# Altium PCB monitor_panel.PcbDoc (part 2 of 2)
Units mm, origin at the board's own origin, x right, y up, seen from the top; angles counter-clockwise.
Board outline 370 x 220 mm, 2 copper layers (Top Layer, Bottom Layer), stack 1.635 mm thick; 211 components, 129 nets, 683 pads, 277 vias.
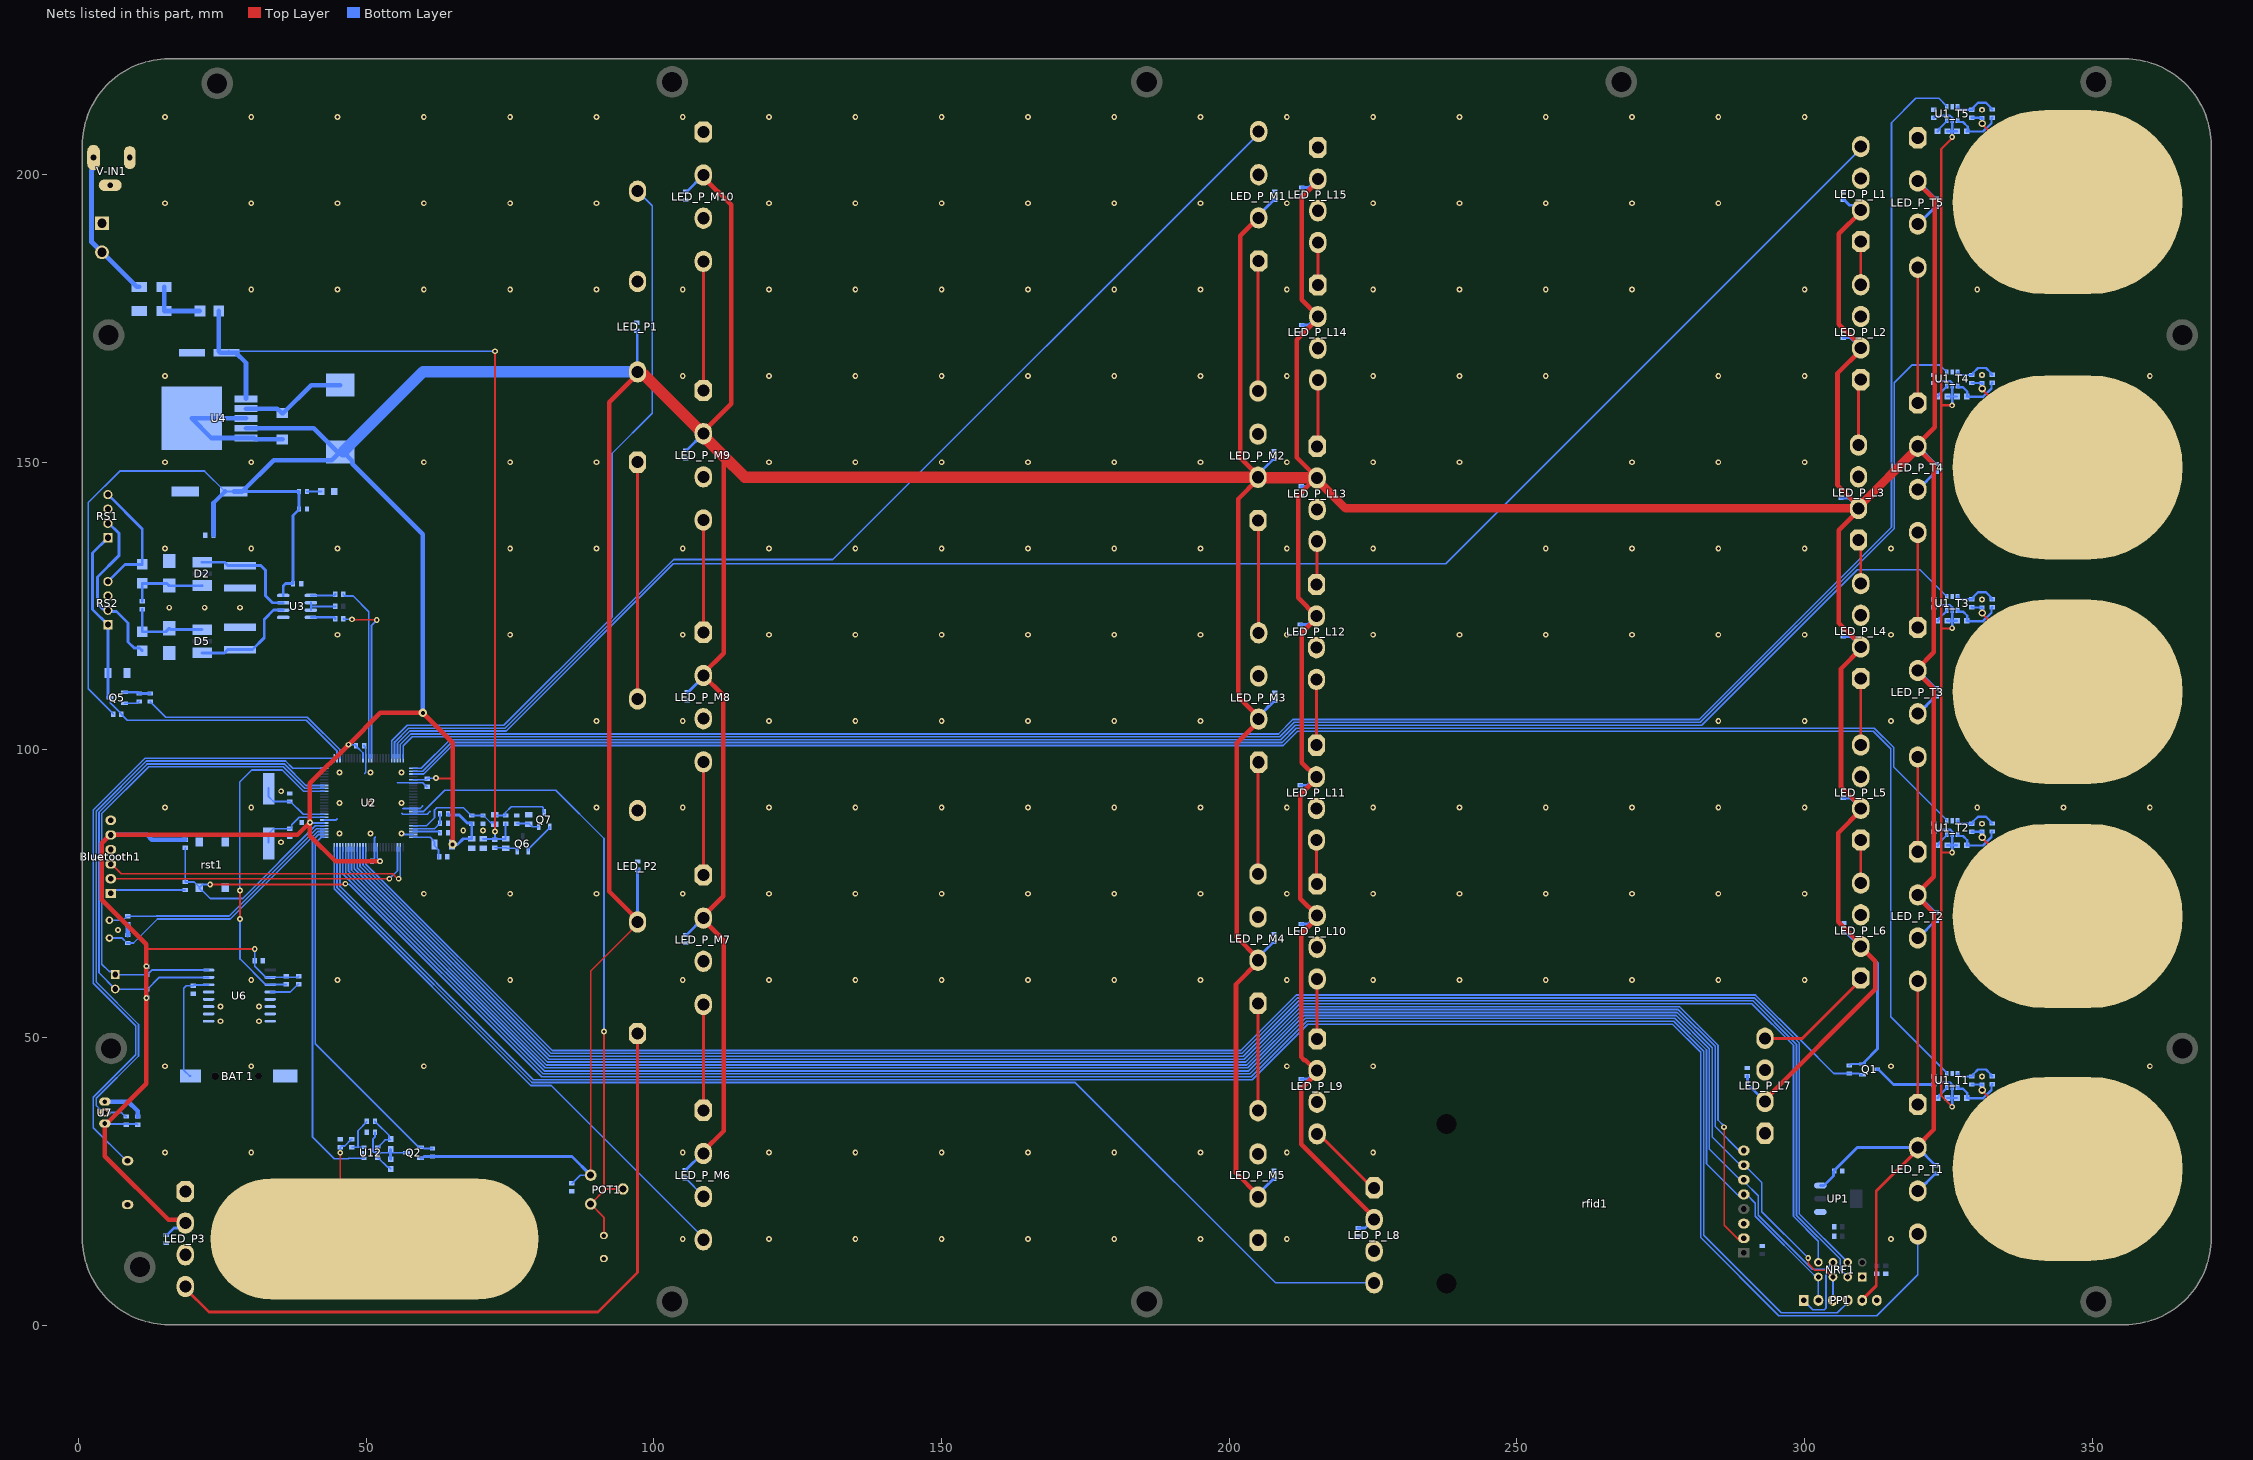
[diagram p2: the nets of this part, all layers, seen from the top]

## Via types
v1: diameter 1, hole 0.5, Top Layer to Bottom Layer, tented both sides, 269 vias
v2: diameter 1.27, hole 0.711, Top Layer to Bottom Layer, tented both sides, 6 vias
v3: diameter 1.5, hole 0.7, Top Layer to Bottom Layer, tented both sides, 2 vias

## Nets (pads, with @x,y where several pads share a name; then routed paths per layer and width w, separated by ;. In a path a pad name is that pad's centre, name@x,y a point inside that pad or via, vN(x,y) a via of type N, cw(c..) or ccw(c..) an arc to the next point about the centre after c; other vN are vias at no path point) (continued)
+5: Bluetooth1.5 C9.1 C11.1 C12.1 C13.1 C14.1 C15.1 C16.1 C17.1 C23.1 C25.2 C29.2 C30.2 C32.2 C_L1.2 C_L2.2 C_L3.2 C_L4.2 C_L5.2 C_L6.2 C_L7.2 C_L8.2 C_L9.2 C_L10.2 C_L11.2 C_L12.2 C_L13.2 C_L14.2 C_L15.2 C_M1.2 C_M2.2 C_M3.2 C_M4.2 C_M5.2 C_M6.2 C_M7.2 C_M8.2 C_M9.2 C_M10.2 C_p1.2 C_p2.2 C_p3.2 C_T1.2 C_T2.2 C_T3.2 C_T4.2 C_T5.2 L1.1 L2.2 LED_P1.2 LED_P2.2 LED_P3.2 LED_P_L1.2 LED_P_L2.2 LED_P_L3.2 LED_P_L4.2 LED_P_L5.2 LED_P_L6.2 LED_P_L7.2 LED_P_L8.2 LED_P_L9.2 LED_P_L10.2 LED_P_L11.2 LED_P_L12.2 LED_P_L13.2 LED_P_L14.2 LED_P_L15.2 LED_P_M1.2 LED_P_M2.2 LED_P_M3.2 LED_P_M4.2 LED_P_M5.2 LED_P_M6.2 LED_P_M7.2 LED_P_M8.2 LED_P_M9.2 LED_P_M10.2 LED_P_T1.2 LED_P_T2.2 LED_P_T3.2 LED_P_T4.2 LED_P_T5.2 POT1.2 PP1.5 Q1.2 Q2.2 R1.1 R2.1 R10.2 R11.2 R13.1 R20.1 R21.1 R24.2 R27.1 R29.2 R30.2 R43.2 U2.10 U2.31 U2.61 U2.80 U3.8 U4.4 U6.2 U7.3 UP1.3 | length 2076.5
  Top Layer w0.3: 11.77,65.405 v1(30.604,65.405) ; v1(62.103,95.123) 62.221,95.005 65.023,95.005 ; POT1.2@89.001,26.074 89.001,61.566 96.868,69.433 LED_P2.2@96.868,70.706
  Top Layer w0.5: PP1.5@310.007,4.318 310.007,4.418 312.452,6.863 312.452,23.297 319.659,30.504 LED_P_T1.2@319.659,30.854
  Top Layer w0.8: LED_P3.2@18.542,17.741 17.947,18.336 15.627,18.336 4.572,29.391 U7.3@4.572,35.052 4.872,35.052 11.77,41.95 v1(11.77,56.858) v1(11.77,62.395) 11.77,65.405 11.77,66.208 4.038,73.94 4.038,83.789 5.466,85.217 Bluetooth1.5@5.588,85.217 38.038,85.217 v1(40.197,87.376) ; v1(52.389,80.645) 44.646,80.645 40.197,85.094 v1(40.197,87.376) ; v3(65.023,83.566) 65.023,95.005 65.023,101.22 v3(59.817,106.426) 52.437,106.426 v1(46.919,100.908) 40.197,94.186 v1(40.197,87.376) ; LED_P2.2@96.868,70.706 92.202,75.373 92.202,160.401 97.155,165.354 97.155,165.625 LED_P1.2@97.155,165.704 ; LED_P_M6.2@108.585,29.852 108.585,30.202 112.141,33.758 112.141,66.929 108.585,70.485 LED_P_M7.2@108.585,70.753 108.585,71.103 112.014,74.532 112.014,109.488 LED_P_M8.2@108.585,112.917 108.585,113.267 112.141,116.823 112.141,151.048 ; LED_P_M9.2@108.585,154.954 108.585,155.033 108.585,155.304 113.411,160.13 113.411,194.729 108.585,199.555 LED_P_M10.2@108.585,199.905 ; LED_P_M1.2@204.918,192.278 LED_P_M1.2@205.105,192.465 ; LED_P_M5.2@204.978,22.285 204.978,22.635 201.168,26.445 201.168,59.273 204.978,63.083 LED_P_M4.2@204.978,63.433 204.978,63.783 201.295,67.466 201.295,101.183 205.105,104.993 LED_P_M3.2@205.105,105.343 205.105,105.693 201.549,109.249 201.549,143.601 204.978,147.03 LED_P_M2.2@204.978,147.38 204.978,147.73 201.93,150.778 201.93,189.357 LED_P_M1.2@205.038,192.465 ; LED_P_L13.2@214.844,147.319 214.844,147.082 211.963,144.201 211.963,126.43 LED_P_L12.2@215.138,123.255 215.138,122.905 212.598,120.365 212.598,97.79 215.073,95.315 LED_P_L11.2@215.138,95.315 215.138,94.965 212.344,92.171 212.344,74.149 215.265,71.228 LED_P_L10.2@215.265,71.185 215.265,70.835 212.471,68.041 212.471,46.609 213.037,46.043 213.237,46.043 215.02,44.261 LED_P_L9.2@215.265,44.261 215.265,43.911 212.471,41.117 212.471,31.416 225.171,18.716 LED_P_L8.2@225.171,18.366 ; LED_P_L13.2@215.204,147.319 214.719,147.804 211.709,150.814 211.709,171.266 215.392,174.949 LED_P_L14.2@215.392,175.299 215.392,175.406 212.598,178.2 212.598,196.057 215.392,198.851 LED_P_L15.2@215.392,199.201 ; LED_P_L13.2@215.265,146.908 LED_P_L13.2@215.265,147.258 ; LED_P_L7.2@293.116,38.863 293.116,39.213 312.293,58.39 312.293,63.29 LED_P_L6.2@309.753,65.83 309.753,66.18 305.816,70.117 305.816,85.541 309.753,89.478 LED_P_L5.2@309.753,89.828 309.753,90.178 306.324,93.607 306.324,114.116 309.753,117.545 LED_P_L4.2@309.753,117.895 309.753,118.245 305.943,122.055 305.943,138.184 309.372,141.613 LED_P_L3.2@309.372,141.963 309.372,142.225 309.372,142.313 305.704,145.981 305.704,165.439 309.753,169.488 LED_P_L2.2@309.753,169.838 309.753,170.188 305.943,173.998 305.943,189.681 309.753,193.491 LED_P_L1.2@309.753,193.841 ; LED_P_T4.2@319.571,152.424 LED_P_T4.2@319.659,152.424 ; LED_P_T1.2@319.659,30.854 319.659,31.204 322.461,34.006 322.461,71.644 319.659,74.446 LED_P_T2.2@319.659,74.796 319.659,75.146 322.461,77.948 322.461,110.633 319.659,113.435 LED_P_T3.2@319.659,113.785 319.659,114.135 322.461,116.937 322.461,149.622 LED_P_T4.2@319.659,152.424 ; LED_P_T5.2@319.659,198.875 319.659,198.525 322.58,195.604 322.58,156.045 319.659,153.124 LED_P_T4.2@319.659,152.774 LED_P_T4.2@319.659,152.424
  Top Layer w1: LED_P_M2.2@204.978,147.38 LED_P_M2.2@205.039,147.319 ; LED_P_L13.2@214.844,147.319 215.204,147.319 LED_P_L13.2@215.265,147.258
  Top Layer w1.5: LED_P_L13.2@215.265,146.908 220.21,141.963 LED_P_L3.2@309.022,141.963 ; LED_P_L3.2@309.372,142.225 LED_P_T4.2@319.571,152.424
  Top Layer w2: LED_P1.2@97.155,165.625 97.617,165.163 98.287,165.163 107.646,155.804 107.814,155.804 LED_P_M9.2@108.585,155.033 ; LED_P_M9.2@108.585,154.604 112.141,151.048 115.809,147.38 LED_P_M2.2@204.978,147.38 ; LED_P_M2.2@205.039,147.319 LED_P_L13.2@214.844,147.319
  Bottom Layer w0.3: U7.3@4.572,35.052 4.668,34.956 10.172,34.956 C16.1@10.268,34.86 ; R13.1@6.031,106.172 6.031,106.267 1.68,110.618 1.68,143.002 7.132,148.454 21.886,148.454 25.433,144.907 C23.1@26.933,144.907 ; v1(30.604,65.405) C32.2@30.604,63.373 30.604,62.388 32.54,60.452 U6.2@33.29,60.452 33.328,60.49 38.073,60.49 R30.2@38.227,60.644 ; C12.1@40.522,87.305 U2.31@42.669,87.305 ; v1(46.919,100.908) 48.054,100.908 C13.1@48.219,100.743 48.219,100.648 48.444,100.423 48.446,100.423 49.419,99.45 U2.61@49.419,98.555 ; U2.10@51.919,83.055 51.919,81.21 52.389,80.74 v1(52.389,80.645) ; U2.80@58.169,94.805 60.379,94.805 C14.1@60.579,95.005 60.638,95.064 62.044,95.064 v1(62.103,95.123) ; C29.2@85.714,24.695 85.809,24.695 87.188,26.074 POT1.2@89.001,26.074 ; R1.1@307.721,45.15 307.816,45.15 308.066,45.4 Q1.2@310.027,45.4
  Bottom Layer w0.5: C_p1.2@15.24,15.686 15.335,15.686 16.562,16.913 17.714,16.913 LED_P3.2@18.542,17.741 ; C23.1@28.433,144.907 R27.1@38.289,144.907 C30.2@38.289,141.859 38.289,141.764 37.273,140.748 C15.1@37.273,128.905 35.973,128.905 35.573,128.505 U3.8@35.573,126.834 ; Q2.2@59.454,29.031 59.754,29.031 60.029,29.305 R2.1@61.506,29.305 85.77,29.305 POT1.2@89.001,26.074 ; R11.2@64.2,88.9 64.2,88.805 64.325,88.68 66.156,88.68 67.536,87.3 68.21,87.3 R24.2@68.326,87.184 C17.1@68.326,84.543 66.856,84.543 65.879,83.566 v3(65.023,83.566) ; C_p3.2@97.028,172.847 97.091,172.784 97.091,165.768 LED_P1.2@97.155,165.704 ; LED_P2.2@97.155,70.07 97.155,79.058 97.28,79.183 C_p2.2@97.35,79.183 ; C_M6.2@105.41,26.929 105.505,26.929 108.428,29.852 LED_P_M6.2@108.585,29.852 ; C_M7.2@105.537,67.83 105.632,67.83 108.555,70.753 LED_P_M7.2@108.585,70.753 ; C_M9.2@105.537,152.031 105.632,152.031 108.555,154.954 LED_P_M9.2@108.585,154.954 ; C_M10.2@105.537,196.982 105.632,196.982 108.555,199.905 LED_P_M10.2@108.585,199.905 ; C_M8.2@105.791,109.994 105.886,109.994 108.585,112.693 LED_P_M8.2@108.585,112.917 ; LED_P_M5.2@204.978,22.285 204.978,22.763 207.677,25.462 C_M5.2@207.772,25.462 ; LED_P_M4.2@204.978,63.433 204.978,63.911 207.677,66.61 C_M4.2@207.772,66.61 ; LED_P_M2.2@204.978,147.38 204.978,147.858 207.677,150.557 C_M2.2@207.772,150.557 ; LED_P_M3.2@205.105,105.343 205.105,105.821 207.804,108.52 C_M3.2@207.899,108.52 ; LED_P_M1.2@205.105,192.465 205.105,192.943 207.804,195.642 C_M1.2@207.899,195.642 ; C_L11.2@212.344,93.856 213.564,93.856 215.023,95.315 LED_P_L11.2@215.138,95.315 ; C_L12.2@212.344,121.796 213.564,121.796 215.023,123.255 LED_P_L12.2@215.138,123.255 ; C_L9.2@212.471,42.802 213.691,42.802 215.15,44.261 LED_P_L9.2@215.265,44.261 ; C_L10.2@212.471,69.726 213.691,69.726 215.15,71.185 LED_P_L10.2@215.265,71.185 ; C_L13.2@212.471,145.799 213.691,145.799 215.15,147.258 LED_P_L13.2@215.265,147.258 ; C_L14.2@212.598,173.84 213.818,173.84 215.277,175.299 LED_P_L14.2@215.392,175.299 ; C_L15.2@212.598,197.742 213.818,197.742 215.277,199.201 LED_P_L15.2@215.392,199.201 ; C_L8.2@222.377,16.907 223.597,16.907 225.056,18.366 LED_P_L8.2@225.171,18.366 ; C_L7.2@290.045,43.3 290.045,41.934 LED_P_L7.2@293.116,38.863 ; UP1.3@302.743,24.271 303.343,24.271 305.018,25.946 305.018,26.672 C25.2@305.143,26.797 305.143,26.892 309.105,30.854 LED_P_T1.2@319.659,30.854 319.68,30.854 322.755,27.779 C_T1.2@322.85,27.779 ; C_L3.2@306.324,143.764 307.641,143.764 309.372,142.033 LED_P_L3.2@309.372,141.963 ; C_L5.2@306.705,91.629 308.022,91.629 309.753,89.898 LED_P_L5.2@309.753,89.828 ; C_L4.2@306.705,119.696 308.022,119.696 309.753,117.965 LED_P_L4.2@309.753,117.895 ; C_L2.2@306.705,171.639 308.022,171.639 309.753,169.908 LED_P_L2.2@309.753,169.838 ; C_L1.2@306.705,195.642 306.8,195.642 307.773,194.669 308.925,194.669 LED_P_L1.2@309.753,193.841 ; C_L6.2@306.832,68.515 306.927,68.515 309.612,65.83 LED_P_L6.2@309.753,65.83 312.674,62.909 312.674,48.047 310.377,45.75 310.377,45.45 310.327,45.4 Q1.2@310.027,45.4 ; LED_P_T2.2@319.659,74.796 319.68,74.796 322.755,71.721 C_T2.2@322.85,71.721 ; LED_P_T3.2@319.659,113.785 319.68,113.785 322.755,110.71 C_T3.2@322.85,110.71 ; LED_P_T4.2@319.659,152.774 319.68,152.774 322.755,149.699 C_T4.2@322.85,149.699 ; LED_P_T5.2@319.659,198.875 319.68,198.875 322.755,195.8 C_T5.2@322.85,195.8
  Bottom Layer w0.8: Bluetooth1.5@5.588,85.217 11.886,85.217 12.718,84.385 R10.2@18.542,84.385 ; C9.1@23.433,137.287 23.433,142.907 C23.1@25.433,144.907 ; C23.1@26.933,144.907 28.433,144.907 33.894,150.368 44.027,150.368 L2.2@45.466,151.807 ; U4.4@29.082,155.907 40.866,155.907 44.966,151.807 L2.2@45.466,151.807 ; v3(59.817,106.426) 59.817,137.456 47.566,149.707 47.566,150.207 45.966,151.807 L2.2@45.466,151.807
  Bottom Layer w1: LED_P1.2@97.155,165.354 LED_P1.2@97.155,165.704 ; LED_P_M9.2@107.852,155.687 LED_P_M9.2@108.585,154.954
  Bottom Layer w2: L2.2@45.966,151.807 59.863,165.704 LED_P1.2@97.155,165.704
+24: C18.2 C19.1 C22.1 F3.2 R22.2 R23.2 U4.1 | length 157.1
  Top Layer w0.3: v1(72.352,85.793) v1(72.352,169.272)
  Bottom Layer w0.3: C22.1@25.733,169.037 26.114,169.418 26.26,169.272 v1(72.352,169.272) ; C19.1@70.286,84.518 R22.2@72.352,84.518 ; R22.2@72.352,84.393 R22.2@72.352,84.518 ; v1(72.352,85.793) R22.2@72.352,84.518 ; R23.2@74.206,87.184 C18.2@74.206,84.518 R22.2@72.352,84.518
  Bottom Layer w0.8: F3.2@24.383,176.275 24.383,169.287 24.633,169.037 C22.1@25.733,169.037 27.333,169.037 29.082,167.288 U4.1@29.082,161.007
ADC_DIF_ref: R11.1 R12.2 U2.97 | length 6.7
  Bottom Layer w0.3: U2.97@58.169,86.305 61.856,86.305 62.48,86.929 62.575,86.929 62.8,87.154 R12.2@62.8,87.249 R11.1@62.8,88.9
clk1: C4.2 U2.29 Y2.1 | length 43.9
  Bottom Layer w0.3: Y2.1@5.334,70.384 7.714,70.384 8.414,71.084 C4.2@8.509,71.084 13.481,71.084 13.509,71.112 26.15,71.112 41.343,86.305 U2.29@42.669,86.305
clk2: C7.1 U2.28 Y2.2 | length 45.7
  Bottom Layer w0.3: Y2.2@5.334,67.284 7.551,67.284 8.414,66.421 C7.1@8.509,66.421 9.525,66.421 13.716,70.612 26.357,70.612 41.55,85.805 U2.28@42.669,85.805
CS: NRF1.4 U2.15 | length 315.2
  Bottom Layer w0.3: U2.15@49.419,83.055 49.419,79.936 82.111,47.244 202.201,47.244 211.845,56.888 291.236,56.888 299.069,49.055 299.069,19.337 307.467,10.939 NRF1.4@307.467,10.922
DS_1820_Q: R43.1 U2.50 U7.2 | length 107
  Bottom Layer w0.3: R43.1@8.246,36.26 8.151,36.26 7.454,36.957 4.272,36.957 3.048,38.181 3.048,39.425 10.414,46.791 10.414,52.269 3.04,59.643 3.04,89.345 11.75,98.055 35.955,98.055 37.205,96.805 U2.50@42.669,96.805
DS_INT: R29.1 U2.42 U6.3 | length 57.7
  Top Layer w0.3: v1(28.067,70.612) v1(28.067,75.565)
  Bottom Layer w0.3: v1(28.067,70.612) 28.067,63.655 32.54,59.182 U6.3@33.29,59.182 33.321,59.213 36.037,59.213 R29.1@36.068,59.244 ; v1(28.067,75.565) 28.001,75.631 28.001,94.422 30.075,96.496 35.393,96.496 39.084,92.805 U2.42@42.669,92.805
En: Bluetooth1.6
GND: "BAT 1.2" Bluetooth1.4 C1_T1.1 C1_T2.1 C1_T3.1 C1_T4.1 C1_T5.1 C2_T1.1 C2_T2.1 C2_T3.1 C2_T4.1 C2_T5.1 C3.1 C4.1 C6.1 C7.2 C8.2 C9.2 C10.2 C11.2 C12.2 C13.2 C14.2 C15.2 C16.2 C17.2 C19.2 C21.1 C22.2 C23.2 C24.1 C25.1 C26.1 C27.1 C28.1 C29.1 C30.1 C31.1 C32.1 C37.1 C38.1 C_L1.1 C_L2.1 C_L3.1 C_L4.1 C_L5.1 C_L6.1 C_L7.1 C_L8.1 C_L9.1 C_L10.1 C_L11.1 C_L12.1 C_L13.1 C_L14.1 C_L15.1 C_M1.1 C_M2.1 C_M3.1 C_M4.1 C_M5.1 C_M6.1 C_M7.1 C_M8.1 C_M9.1 C_M10.1 C_p1.1 C_p2.1 C_p3.1 C_T1.1 C_T2.1 C_T3.1 C_T4.1 C_T5.1 D1.1 D3.1 D4.2 D6.1 D8.A GDT1.2 GDT2.2 LDR1.1 LED1.C LED_P1.3 LED_P2.3 LED_P3.3 LED_P_L1.3 LED_P_L2.3 LED_P_L3.3 LED_P_L4.3 LED_P_L5.3 LED_P_L6.3 LED_P_L7.3 LED_P_L8.3 LED_P_L9.3 LED_P_L10.3 LED_P_L11.3 LED_P_L12.3 LED_P_L13.3 LED_P_L14.3 LED_P_L15.3 LED_P_M1.3 LED_P_M2.3 LED_P_M3.3 LED_P_M4.3 LED_P_M5.3 LED_P_M6.3 LED_P_M7.3 LED_P_M8.3 LED_P_M9.3 LED_P_M10.3 LED_P_T1.3 LED_P_T2.3 LED_P_T3.3 LED_P_T4.3 LED_P_T5.3 NRF1.1 PP1.6 Q5.2 R12.1 R15.2 R25.1 R26.1 R28.2 rfid1.3 RS1.3 RS2.3 rst1.3 rst1.4 SP1.2 U1_T1.2 U1_T2.2 U1_T3.2 U1_T4.2 U1_T5.2 U2.11 U2.32 U2.62 U2.81 U2.90 U2.92 U2.99 U3.5 U4.3 U4.5 U6.5 U6.6 U6.7 U6.8 U6.9 U6.10 U6.11 U6.12 U6.13 U7.1 U12.2 UP1.1 V-IN1.2 V-IN1.3 V-IN2.1 | length 93.5
  Bottom Layer w0.3: Q5.2@7.98,108.116 10.171,108.116 10.446,108.391 R15.2@10.541,108.391 ; U2.32@42.669,87.805 44.728,87.805 44.919,87.996 ; C13.2@49.619,100.743 49.619,100.648 49.919,100.348 U2.62@49.919,98.555 49.919,96.085 49.719,95.885 ; C11.2@50.989,80.645 50.989,80.74 51.419,81.17 U2.11@51.419,83.055 51.419,84.693 51.562,84.836 ; 55.419,94.305 U2.81@58.169,94.305 59.784,94.305 60.484,93.605 C14.2@60.579,93.605 ; v1@56.134,85.255 56.184,85.305 U2.99@58.169,85.305 ; 56.184,88.981 56.36,88.805 U2.92@58.169,88.805 60.578,88.805 61.073,89.3 ; 56.36,89.764 56.401,89.805 U2.90@58.169,89.805 59.349,89.805 59.784,90.24 ; C_M6.1@105.41,25.529 105.505,25.529 108.585,22.449 LED_P_M6.3@108.585,22.352
  Bottom Layer w0.5: LED_P_T1.3@319.659,23.354 319.73,23.354 322.755,26.379 C_T1.1@322.85,26.379 ; LED_P_T2.3@319.659,67.296 319.73,67.296 322.755,70.321 C_T2.1@322.85,70.321 ; LED_P_T3.3@319.659,106.285 319.73,106.285 322.755,109.31 C_T3.1@322.85,109.31 ; LED_P_T4.3@319.659,145.274 319.73,145.274 322.755,148.299 C_T4.1@322.85,148.299 ; LED_P_T5.3@319.659,191.375 319.73,191.375 322.755,194.4 C_T5.1@322.85,194.4
  Bottom Layer w0.8: U7.1@4.572,38.862 8.636,38.862 10.264,37.234 10.264,36.264 C16.2@10.268,36.26 ; C7.2@8.509,67.821 C4.1@8.509,69.684 ; U4.3@29.082,157.607 U4.3@19.634,157.607 23.034,154.207 U4.5@29.082,154.207 30.482,154.207 30.732,153.957 D6.1@35.433,153.957
  other v1: 105,15 120,15 135,15 150,15 165,15 180,15 195,15 210,15 315,15 15,30 30,30 105,30 120,30 135,30 150,30 165,30 180,30 195,30 210,30 225,30 330.832,43.215 15,45 30,45 60,45 210,45 225,45 315,45 360,45 24.638,52.832 31.369,52.832 24.638,55.372 31.369,55.372 30,60 45,60 75,60 105,60 120,60 135,60 150,60 165,60 180,60 195,60 210,60 225,60 240,60 255,60 270,60 285,60 300,60 6.858,68.707 60,75 75,75 90,75 105,75 120,75 135,75 150,75 165,75 180,75 195,75 210,75 225,75 240,75 255,75 270,75 285,75 300,75 35.179,83.947 45.343,85.471 50.738,85.471 56.134,85.471 66.856,86.002 70.286,86.002 330.832,87.157 15,90 30,90 90,90 105,90 120,90 135,90 150,90 165,90 180,90 195,90 210,90 225,90 240,90 255,90 270,90 285,90 300,90 330,90 345,90 360,90 45.343,90.778 50.738,90.778 56.134,90.778 35.203,92.805 45.343,96.085 50.738,96.085 56.134,96.085 90,105 105,105 120,105 135,105 150,105 165,105 180,105 195,105 285,105 300,105 315,105 45,120 75,120 105,120 120,120 135,120 150,120 165,120 180,120 195,120 210,120 225,120 240,120 255,120 270,120 285,120 300,120 315,120 15.748,124.714 21.907,124.714 28.067,124.714 330.832,126.146 15,135 30,135 45,135 75,135 90,135 105,135 120,135 135,135 150,135 165,135 180,135 195,135 210,135 225,135 255,135 270,135 285,135 300,135 315,135 15,150 30,150 60,150 75,150 90,150 120,150 135,150 150,150 165,150 180,150 195,150 210,150 225,150 240,150 270,150 285,150 300,150 15,165 105,165 120,165 135,165 150,165 165,165 180,165 195,165 210,165 225,165 240,165 255,165 285,165 300,165 360,165 330.832,165.135 30,180 45,180 60,180 75,180 90,180 105,180 120,180 135,180 150,180 165,180 180,180 195,180 210,180 225,180 240,180 255,180 270,180 300,180 330,180 15,195 30,195 45,195 60,195 75,195 90,195 120,195 135,195 150,195 165,195 180,195 195,195 210,195 225,195 240,195 255,195 270,195 285,195 15,210 30,210 45,210 60,210 75,210 90,210 105,210 120,210 135,210 150,210 165,210 180,210 195,210 210,210 225,210 240,210 255,210 270,210 285,210 300,210 330.832,211.236
LED_D1: LED_P_M1.4 U2.72 | length 197.1
  Bottom Layer w0.3: U2.72@54.919,98.555 54.919,101.351 57.335,103.767 74.104,103.767 103.433,133.096 131.086,133.096 205.105,207.115 LED_P_M1.4@205.105,207.465
LED_D2: LED_P_M6.4 U2.25 | length 96.9
  Bottom Layer w0.3: U2.25@44.419,83.055 44.419,82.012 44.419,76.485 44.419,75.85 78.597,41.672 79.232,41.672 82.153,41.672 108.585,15.24 LED_P_M6.4@108.585,14.852
LED_D3: LED_P_T1.4 U2.23 | length 348.8
  Bottom Layer w0.3: U2.23@45.419,83.055 45.419,76.264 79.011,42.672 203.993,42.672 213.645,52.324 277.042,52.324 281.94,47.426 281.94,15.24 295.529,1.651 312.547,1.651 319.659,8.763 LED_P_T1.4@319.659,15.854
LED_D4: LED_P_L1.4 U2.73 | length 300.1
  Bottom Layer w0.3: U2.73@55.419,98.555 55.419,101.144 57.542,103.267 74.311,103.267 103.378,132.334 237.596,132.334 309.753,204.491 LED_P_L1.4@309.753,204.841
LED_D5: LED_P_L8.4 U2.24 | length 215.7
  Bottom Layer w0.3: U2.24@44.919,83.055 44.919,76.057 78.804,42.172 79.439,42.172 85.802,42.172 85.81,42.164 173.228,42.164 208.026,7.366 LED_P_L8.4@225.171,7.366
LED_D6: LED_P1.4 U2.71 | length 128.2